# Allegro board Lay-45699_A.brd (continued)
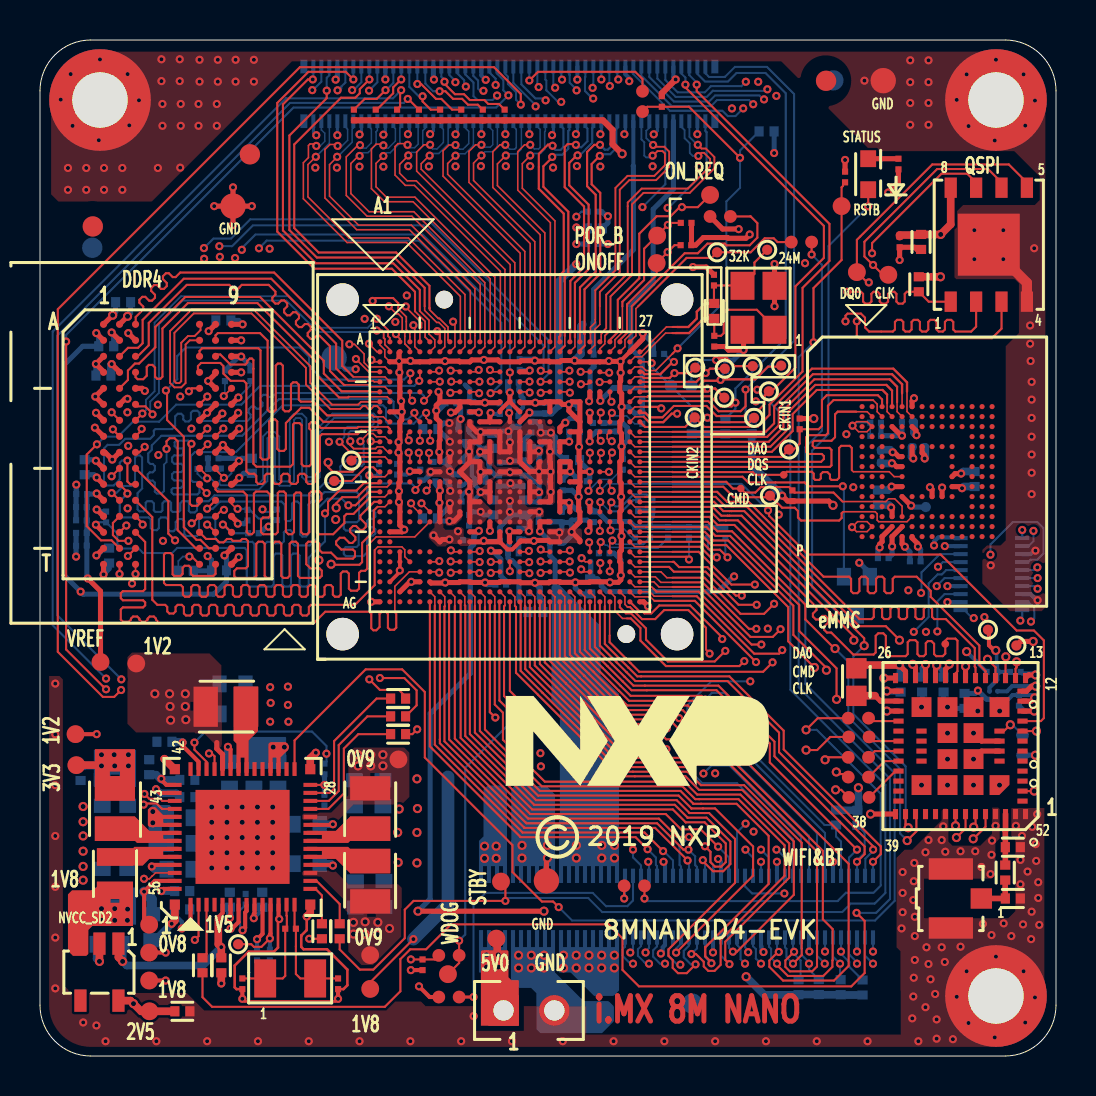
[diagram p0: board, top side]
## Routing (per net, layer and track width the routed paths; a pad name or vN(x,y) marks a point on that pad's centre or on a via; arc(x,y) is an arc through that point) (continued)
SD3_DATA2: length 16.8
  TOP w0.076: U1.K26 29.75,30.96 31.63,30.96 ; 43.1,33.14 U4.A5
  TOP w0.104: 42.6,34.09 38.64,34.09 36.94,32.38 36.94,31.54 36.36,30.96 31.63,30.96
  TOP w0.114: 42.6,34.09 43.1,33.59 43.1,33.14
SD3_DATA3: length 16.6
  TOP w0.076: 31.63,29.46 29.75,29.46 U1.N26 ; U4.B2 41.36,32.22 40.8,32.22
  TOP w0.104: 31.63,29.46 39.5,29.46 39.57,29.53 39.57,30.3 39.47,30.41 38.74,30.41 38.63,30.51 38.63,30.68 38.71,30.76 39.57,30.76 39.75,30.94 39.75,32.08 39.89,32.22
  TOP w0.114: 39.89,32.22 40.8,32.22
SD3_DATA4: length 17.1
  TOP w0.076: U4.B3 41.86,32.21 41.86,32.59 41.66,32.8 ; U1.N27 31.63,29.71
  TOP w0.104: 31.63,29.71 39.06,29.71 39.19,29.85 39.19,30 39.09,30.1 38.41,30.1 38.3,30.2 38.3,30.94 38.41,31.04 39.29,31.04 39.4,31.14 39.4,32.51 39.68,32.8 41.66,32.8
SD3_DATA5: length 15.4
  TOP w0.076: 42.36,32.65 42.36,32.22 U4.B4 ; U1.M27 31.63,30.21
  TOP w0.104: 42.36,33.07 42.36,32.65 ; 31.63,30.21 36.59,30.21 37.63,31.25 37.63,32.1 38.84,33.3 42.13,33.3
  TOP w0.114: 42.13,33.3 42.36,33.07
SD3_DATA6: length 16.4
  TOP w0.076: 42.86,32.69 42.86,32.22 U4.B5 ; U1.L27 31.63,30.71
  TOP w0.104: 31.63,30.71 36.44,30.71 37.17,31.44 37.17,32.29 38.72,33.83 42.48,33.83 ; 42.86,33.46 42.86,32.69
  TOP w0.114: 42.48,33.83 42.86,33.46
SD3_DATA7: length 17.3
  TOP w0.076: U1.K27 31.63,31.21 ; U4.B6 43.35,32.22 43.35,33.22
  TOP w0.104: 42.66,34.37 38.6,34.37 36.71,32.48 36.71,31.63 36.28,31.21 31.63,31.21
  TOP w0.114: 43.35,33.22 43.35,33.68 42.66,34.37
SD3_STROBE: length 17
  TOP w0.076: 40.59,29.29 40.67,29.21 42.46,29.21 42.71,28.97 U4.H5 ; 31.63,29.21 U1.P27
  TOP w0.104: 40.59,29.29 40.59,30.4 40.49,30.51 40.06,30.51 39.96,30.4 39.96,28.91 39.85,28.81 39.57,28.81 39.5,28.88 39.5,29.07 39.37,29.19 39.14,29.19 39.04,29.09 39.04,28.88 38.96,28.81 38.76,28.81 38.69,28.88 38.69,29.12 38.59,29.21 37.34,29.21 TP40.1 35.77,29.06 35.64,29.19 31.64,29.19 31.63,29.21
SPDIF_EXT_CLK: length 24.5
  TOP w0.076: U1.AF8 20.74,22.96 20.74,22.5
  TOP w0.104: v1(33.91,10.47) 33.9,10.47 33.03,11.34 32.05,11.34 31.29,12.1 24.51,12.1 20.74,15.87 20.74,22.5
  BOTTOM w0.104: J5.63 34.45,9.93 v1(33.91,10.47)
SPDIF_RX: length 26.7
  TOP w0.104: v1(33.25,10.49) 33.52,10.21 33.52,9.69 33.75,9.47 34.06,9.47 34.29,9.69 34.29,10.63 33.23,11.69 32.29,11.69 31.64,12.33 24.61,12.33 21.03,15.91 21.03,22.67 U1.AG9
  BOTTOM w0.104: J5.59 33.65,9.57 33.52,9.69 33.52,10.21 v1(33.25,10.49)
SPDIF_TX: length 26.5
  TOP w0.076: 21.24,22.54 21.24,22.96 U1.AF9
  TOP w0.104: v1(33.14,9.79) 33.14,9.75 33.65,9.24 34.16,9.24 34.52,9.6 34.52,10.72 33.33,11.92 32.38,11.92 32.38,11.92 31.74,12.56 24.7,12.56 21.26,16 21.26,22.51 21.24,22.54
  BOTTOM w0.104: J5.57 33.25,9.64 33.14,9.75 v1(33.14,9.79)
SR_VLX: length 2.2
  TOP w0.254: U6.28 42.02,17.75 41.75,18.02
  TOP w0.381: L2.2 40.83,18.02 41.75,18.02
SYS_NRST: length 15.2
  TOP w0.152: R127.1 v1(21.67,2.95)
  BOTTOM w0.104: J5.39 29.65,7.77 29.37,7.49 28.3,7.49 27.64,8.16 22.28,8.16 21.67,7.55 v1(21.67,2.95)
SYS_STATUS: length 15.5
  TOP w0.076: U1.P26 29.74,28.96 31.63,28.96
  TOP w0.104: 31.63,28.96 35.12,28.96 35.41,28.68 36.77,28.68 36.77,28.68 38.23,28.68 38.42,28.49 v1(40.14,28.49)
  BOTTOM w0.104: Q1.1 40.2,28.43 v1(40.14,28.49)
TEST_MODE: length 7.3
  TOP w0.104: v1(24.47,48.78) 24.9,49.21 29.76,49.21 30.13,48.85 R134.2
  BOTTOM w0.104: J4.56 v1(24.47,48.78)
TS_RES_EXT: length 2.2
  TOP w0.076: v1(28.59,32.16) 28.49,32.06 U1.J24
  BOTTOM w0.076: R103.1 29.73,31.61 29.34,32 28.75,32 v1(28.59,32.16)
TS_TEST_OUT: length 8.9
  TOP w0.076: v1(28.04,32.17) 27.99,32.13 U1.J23
  TOP w0.104: v1(33.36,31.91) 33.59,31.69 35.49,31.69 TP19.1
  L3_IN1 w0.081: v1(33.36,31.91) 33.34,31.91 32.75,31.33 30.7,31.33 30.22,31.81 28.4,31.81 v1(28.04,32.17)
UART1_CTS: length 124.4
  TOP w0.076: U1.E18 25.03,33.71 v1(25.03,33.71)
  TOP w0.104: U6.48 47.28,11.46 46.68,10.86 v2(46.66,10.86)
  L3_IN1 w0.081: v1(8.2,40.4) 8.04,40.56 5.6,40.56 1.88,36.84 1.88,35.38 1.18,34.68 1.18,20.18 1.76,19.6 1.76,4.21 4.22,1.74 19.95,1.74 21.72,3.52 41.67,3.52 42.44,4.29 42.44,5.61 41.54,6.51 41.54,7.8 40.44,8.9 40.44,10.43 42.59,12.58 46.5,12.58 47.02,12.07 47.02,11.86 47.08,11.8 47.08,11.28 v2(46.66,10.86)
  BOTTOM w0.104: v1(8.2,40.4) 8.68,40.87 9.55,40.87 10.52,41.84 19.38,41.84 25.43,35.79 25.43,34.11 v1(25.03,33.71)
UART1_RTS: length 121
  TOP w0.076: v1(25.04,34.26) 25.09,34.21 U1.D18
  TOP w0.104: U6.47 46.78,11.54 v2(46.68,11.44)
  L3_IN1 w0.081: v1(8.97,40.49) 8.69,40.77 5.52,40.77 1.67,36.92 1.67,35.43 0.97,34.73 0.97,20.09 1.55,19.51 1.55,4.12 4.14,1.54 20.15,1.54 21.16,2.54 21.9,2.54 22.66,3.31 41.75,3.31 42.65,4.2 42.65,5.7 41.75,6.6 41.75,7.88 41.27,8.37 41.27,10.86 42.78,12.38 45.97,12.38 46.53,11.81 46.53,11.56 46.65,11.44 v2(46.68,11.44)
  BOTTOM w0.104: v1(8.97,40.49) 9.6,40.49 10.64,41.53 19.18,41.53 25.18,35.53 25.18,34.41 v1(25.04,34.26)
UART1_RXD: length 120.9
  TOP w0.076: U1.E14 v1(23.49,34.18)
  TOP w0.104: v2(45.82,10.92) 46.28,11.38 U6.46
  L3_IN1 w0.081: v1(10.09,40.31) 9.43,40.97 5.43,40.97 1.71,37.25 0.76,36.31 0.76,20.01 1.34,19.43 1.34,4.04 4.05,1.33 26.7,1.33 28.4,3.02 41.76,3.02 42.85,4.12 42.85,5.79 42.06,6.58 42.06,11.33 42.9,12.17 45.68,12.17 46.17,11.68 46.17,11.27 v2(45.82,10.92)
  BOTTOM w0.104: v1(23.49,34.18) 23.49,36.71 19.13,41.07 10.77,41.07 10.09,40.39 v1(10.09,40.31)
UART1_TXD: length 120.1
  TOP w0.076: U1.F13 22.59,33.21 v1(22.53,33.14)
  TOP w0.104: U6.45 v2(45.78,11.51)
  L3_IN1 w0.081: v1(10.95,40.39) 10.67,40.39 9.87,41.18 5.34,41.18 1.91,37.75 0.55,36.4 0.55,20.09 0.55,20.09 0.55,19.92 1.13,19.34 1.13,3.95 3.96,1.12 26.79,1.12 28.48,2.82 41.85,2.82 43.06,4.03 43.06,5.87 42.27,6.66 42.27,11.24 42.99,11.96 45.33,11.96 v2(45.78,11.51)
  BOTTOM w0.104: v1(22.53,33.14) 22.58,33.14 23.06,33.63 23.06,36.66 18.96,40.77 11.33,40.77 v1(10.95,40.39)
UART2_RXD: length 18.5
  TOP w0.076: U1.F15 24.44,33.21 v1(24.48,33.17)
  L3_IN1 w0.081: v1(20.77,48.69) 20.77,48.47 21.33,47.91 21.33,43.7 23.87,41.16 23.87,33.78 v1(24.48,33.17)
  BOTTOM w0.104: v1(20.77,48.69) 20.7,48.76 20.7,48.82 20.47,49.05 J4.36
UART2_TXD: length 17.7
  TOP w0.076: v1(24.48,33.72) 24.46,33.71 U1.E15
  L3_IN1 w0.081: v1(21.29,48.47) 21.64,48.13 21.64,43.97 24.14,41.47 24.14,34.06 v1(24.48,33.72)
  BOTTOM w0.104: J4.38 20.87,49.13 21.21,48.79 21.21,48.6 21.29,48.51 v1(21.29,48.47)
UART3_CTS: length 18.5
  TOP w0.114: U1.A7 19.99,36.11 v1(19.86,36.24)
  L3_IN1 w0.081: v1(14.88,48.28) 13.19,46.59 13.19,44.18 15.88,41.48 17.58,41.48 19.33,39.73 19.33,37.36 19.86,36.83 v1(19.86,36.24)
  BOTTOM w0.104: v1(14.88,48.28) 14.96,48.28 15.06,48.39 15.06,48.47 15.27,48.67 J4.10
UART3_RTS: length 20.6
  TOP w0.076: 19.45,36.1 19.74,35.81 19.74,35.46 U1.B6
  TOP w0.084: 18.99,37.25 19.45,36.79 19.45,36.1
  TOP w0.104: v1(13.64,48.83) 13.39,48.83 12.15,47.58 12.15,41.28 13.79,39.64 17.66,39.64 18.99,38.31 18.99,37.25
  BOTTOM w0.104: v1(13.64,48.83) 13.67,48.86 J4.2
UART3_RXD: length 19.9
  TOP w0.076: v1(19.96,34.27) 19.9,34.21 U1.D6
  L3_IN1 w0.081: v1(19.96,34.27) 19.33,34.89 19.33,36.88 19.08,37.14 19.08,39.47 17.27,41.28 15.75,41.28 12.98,44.05 12.98,46.68 13.61,47.32 v1(13.61,48.29)
  BOTTOM w0.104: J4.4 14.07,48.72 13.65,48.29 v1(13.61,48.29)
UART3_TXD: length 20.7
  TOP w0.076: 19.23,37.49 19.23,37.28 19.84,36.68 19.94,36.68 20.24,36.38 20.24,35.46 U1.B7
  TOP w0.104: v1(14.34,48.27) 14.34,47.89 12.47,46.02 12.47,41.3 13.84,39.92 17.72,39.92 19.23,38.41 19.23,37.49
  BOTTOM w0.104: v1(14.34,48.27) 14.34,48.91 14.47,49.04 J4.6
UART4_RXD: length 19.9
  TOP w0.076: U1.F19 26.45,33.21 v1(26.49,33.17)
  L3_IN1 w0.081: v1(22.85,48.02) 22.85,47.92 24.06,46.72 24.06,42.8 25.59,41.27 25.59,34.07 v1(26.49,33.17)
  BOTTOM w0.104: J4.40 21.27,49.08 21.67,48.67 21.67,47.99 21.87,47.8 22.63,47.8 v1(22.85,48.02)
UART4_TXD: length 18.6
  TOP w0.076: v1(25.04,33.16) 25.09,33.21 U1.F18
  L3_IN1 w0.081: v1(25.04,33.16) 25.38,33.51 25.38,41.04 23.83,42.59 23.83,46.52 22.17,48.18 v1(22.17,48.26)
  BOTTOM w0.104: J4.42 21.67,49.01 21.91,48.77 21.91,48.36 22.01,48.26 v1(22.17,48.26)
USB1_DN: length 14.8
  TOP w0.076: U1.A22 27.52,35.74 27.52,36.44 27.76,36.68 27.76,36.81
  TOP w0.091: 27.76,36.81 27.76,38.28 28.77,39.29 28.77,43.4 29.38,44.01 30.72,44.01 31.24,44.54 31.24,45.13 31.13,45.24 30.87,45.24 30.65,45.02 v1(30.63,45.02)
  BOTTOM w0.091: v1(30.63,45.02) 30.55,44.93 30.3,44.93 30.21,45.02 30.21,45.69 30.07,45.83 J4.83
USB1_DP: length 14.8
  TOP w0.076: U1.B22 27.49,35.29 27.74,35.54 27.74,36.33 27.99,36.58 27.99,37.49
  TOP w0.091: 27.99,37.49 27.99,38.2 28.99,39.2 28.99,43.31 29.46,43.79 30.81,43.79 31.46,44.45 31.46,45.22 31.22,45.46 30.75,45.46 v1(30.66,45.55)
  BOTTOM w0.091: v1(30.66,45.55) 30.31,45.89 30.31,46.26 30.47,46.42 J4.85
USB1_ID: length 16.5
  TOP w0.076: v1(27.03,34.21) U1.D22
  L3_IN1 w0.076: 26.44,37.49 26.44,36.63 27.07,36 27.07,34.25 v1(27.03,34.21)
  L3_IN1 w0.081: 26.44,37.49 26.44,40.82 26.62,40.99 28.67,40.99 v1(30.12,42.45)
  BOTTOM w0.104: 30.19,42.51 31.27,43.59 J4.89
  BOTTOM w0.114: 30.19,42.51 v1(30.12,42.45)
USB1_VBUS: length 12.5
  BOTTOM w0.203: J4.81 29.67,44.5
  BOTTOM w0.254: 29.67,44.5 29.67,44.5 29.67,40.31 27.68,38.33 27.68,36.59 C393.1 27.68,36.57 R108.2
USB2_DN: length 15.8
  TOP w0.076: 28.09,36.17 28.09,36.13 28.06,36.1 28.06,35.94 28.06,35.78 U1.A23
  TOP w0.091: v1(32.92,45) 33.07,45.16 33.2,45.16 33.5,44.86 33.5,44.48 32.4,43.37 30.09,43.37 29.39,42.67 29.39,42.49 29.39,42.49 29.39,39.14 28.31,38.06 28.31,36.39 28.09,36.17
  BOTTOM w0.091: J4.93 32.07,46.45 32.23,46.29 32.23,45.89 32.49,45.63 32.49,45.15 32.64,45 v1(32.92,45)
USB2_DP: length 15.9
  TOP w0.076: U1.B23 27.99,35.36 28.24,35.61 28.24,35.73 28.25,35.74 28.25,36.02
  TOP w0.091: v1(32.89,45.56) 33.08,45.37 33.29,45.37 33.72,44.95 33.72,44.39 32.49,43.16 30.18,43.16 29.6,42.58 29.6,39.05 28.53,37.97 28.53,36.3 28.25,36.02
  BOTTOM w0.091: J4.95 32.47,45.96 32.87,45.56 v1(32.89,45.56)
USB2_ID: length 15.5
  TOP w0.076: U1.D23 28.04,34.17 v1(28.46,34.17)
  L3_IN1 w0.081: v1(31.38,42.4) 28.1,39.12 28.1,34.42 28.31,34.21 28.37,34.21 28.42,34.17 v1(28.46,34.17)
  BOTTOM w0.104: 33.33,46.2 33.33,44.31 31.42,42.4 v1(31.38,42.4) ; 33.27,46.26 J4.99
  BOTTOM w0.114: 33.33,46.2 33.27,46.26
USB2_VBUS: length 15.3
  BOTTOM w0.254: R109.2 30.11,33.4 C394.1 30.11,34.81 29.54,35.38 29.54,37.52 30.66,38.64 30.66,42.33 31.67,43.35 31.67,46.73 J4.91
VPP_2V5: length 50.3
  TOP w0.254: U2.B1 v1(2.81,36.15) ; U2.R9 v1(9.22,25.03)
  TOP w0.381: U9.5 4.52,2.77 v2(4.67,2.62) 5.06,2.24 TP105.1 C423.1
  L3_IN1 w0.254: v2(4.67,2.62) 3.84,2.62 2.31,4.14 2.31,7.77 3.02,8.49 3.02,12.5 2.13,13.39 2.13,23.12 v1(2.03,23.22)
  BOTTOM w0.254: v1(2.81,36.15) 2.93,36.03 C112.1 2.14,35.49 1.22,34.57 1.22,24.03 v1(2.03,23.22) 2.16,23.09 8.69,23.09 9.33,23.73 C111.1 9.33,24.92 v1(9.22,25.03)
VSYS_5V: length 22.1
  TOP w0.203: U8.23 14.58,11.55 14.62,11.59 v1(14.64,11.59) ; U8.5 9.13,7.15 8.92,6.94 8.92,6.83 ; U8.9 10.73,7.14 10.69,7.1 v1(10.69,6.89) ; U8.41 7.93,14.71 7.13,15.51 v1(7.13,15.67) ; v1(14.64,9.52) 14.63,9.52 14.6,9.55 U8.18 ; U8.53 5.67,9.55 v1(5.59,9.47) ; v1(9.4,15.46) 9.53,15.33 U8.37
  TOP w0.381: TP51.1 22.86,5.83 22.86,5.16 22.89,5.13 22.86,5.11 v2(22.91,5.06) ; C11.1 v1(9.06,5.44) 8.92,5.59 8.92,6.83 ; U9.1 3.92,4.94 v2(4.13,4.73)
  BOTTOM w0.203: v1(10.69,6.89) 11.11,7.31 C12.1
  BOTTOM w0.381: C281.2 v1(14.64,11.59) ; C323.2 9.4,14.79 v1(9.4,15.46) ; C424.2 v2(4.13,4.73) 4.34,4.52 8.14,4.52 v1(9.06,5.44) ; v1(14.64,9.52) 14.55,9.62 C295.2 ; v1(7.13,15.67) 7.09,15.71 C10.1 ; C316.2 5.73,9.34 v1(5.59,9.47)
  vias: v2(5.64,12.22) v2(5.64,11.66) v2(11.66,15.44) v2(12.22,15.44) v2(22.23,10.49) v2(22.23,9.88) v2(22.33,5.06) v2(22.33,4.45) v2(22.81,10.49) v2(22.81,9.88) v2(22.91,4.45)
WDOG_B: length 20.2
  TOP w0.104: v1(23.53,16.68) 23.53,17.22 22.97,17.77 22.97,22.69 U1.AG13 ; TP53.1 20.96,4.65 R55.1 20.96,5.18 v1(20.96,5.77)
  BOTTOM w0.104: v1(20.96,5.77) 21.26,6.07 21.26,14.41 v1(23.53,16.68)
WIFI_1V8: length 6.9
  TOP w0.254: v2(49.66,20.73) 49.02,20.73 TP13.1 ; v2(49.73,17.91) 49.57,17.75 U6.11
  L3_IN1 w0.254: v2(49.66,20.73) 49.81,20.57 49.81,19.76 49.3,19.25 49.3,18.24 49.63,17.91 v2(49.73,17.91)
  BOTTOM w0.203: U7.A2 48.42,17.84 48.63,18.05 C140.1 49.59,18.05 v2(49.73,17.91)
WL_REG_ON: length 31.2
  TOP w0.076: U1.R23 v1(27.99,28.26)
  TOP w0.104: v1(36.4,27.28) 36.45,27.23 36.45,27.02 38.4,25.07 45.04,25.07 48.83,21.27 49.7,21.27 50.19,20.78 50.19,16.89 50.04,16.75 U6.9
  BOTTOM w0.076: v1(27.99,28.26) 28.34,28.6 31.63,28.6
  BOTTOM w0.104: 31.63,28.6 35.08,28.6 v1(36.4,27.28)
WL_WAKE_HOST: length 28
  TOP w0.076: 30.33,26.46 29.75,26.46 U1.W26
  TOP w0.104: 30.33,26.46 33.32,26.46 33.77,26.01 34.5,26.01 37.96,22.55 37.96,21.25 39.83,19.38 v2(39.83,17.83) ; U6.2 v2(49.71,13.25)
  L3_IN1 w0.081: v2(39.83,17.83) 43.46,14.2 48.76,14.2 v2(49.71,13.25)
XIN_32K: length 5.7
  TOP w0.104: C298.1 QZ2.2 13.02,3.88 12.79,4.1 12.79,5.48 R57.1 12.73,6.43 U8.14
XOUT_32K: length 5.8
  TOP w0.104: C299.1 QZ2.1 12.13,3.88 12.26,4.01 R57.2 12.34,6.45 12.34,7.01 12.33,7.02 U8.13
XTALI_24M: length 9.6
  TOP w0.076: 31.63,36.45 31.32,36.45 30.08,35.21 U1.B27
  TOP w0.104: 31.86,36.45 31.63,36.45 ; TP38.1 35.72,39.67 35.72,39.11 Y1.3 35.11,38.53 C123.1 33.7,37.64 R26.1
  TOP w0.114: R26.1 33.25,37.63 32.84,37.22 32.84,36.87 32.42,36.45 31.86,36.45
XTALI_32K: length 11.1
  TOP w0.076: U1.A26 29.79,36.01 29.79,37.37 29.91,37.49
  TOP w0.104: 29.91,37.49 32.33,39.91 33.57,39.91 TP39.1 35.53,40.18 36.23,40.88 36.69,40.88 36.88,40.7 R100.2
XTALO_24M: length 10.6
  TOP w0.076: 31.63,36.15 31.28,36.15 30.09,34.96 29.74,34.96 U1.C26
  TOP w0.104: Y1.1 36.73,36.43 35.84,37.31 34.34,37.31 34.19,37.16 34.19,36.14 34.05,36.01 C124.1 33.71,36.01 R26.2 ; 31.63,36.15 31.79,36.15
  TOP w0.114: R26.2 33.18,36.88 32.45,36.15 31.79,36.15
XTALO_32K: length 12.5
  TOP w0.076: 29.58,37.49 29.58,36.15 29.25,35.81 29.25,35.46 U1.B25
  TOP w0.104: R113.2 35.52,41.98 35.53,41.98 35.87,41.64 35.87,40.92 35.49,40.54 34.33,40.54 34.25,40.62 33.37,40.62 32.89,40.14 32.23,40.14 29.58,37.49
N102271152: length 1.7
  TOP w0.076: 16.84,28.96 17.25,28.96 U1.P2
  TOP w0.104: v1(16.46,29.03) 16.51,28.98 16.54,28.98 16.56,28.96 16.84,28.96
  BOTTOM w0.104: v1(16.46,29.03) 16.51,29.03 16.53,29.06 R7.2
N106370682: length 2.4
  TOP w0.254: U1.F22 27.49,32.78 v1(27.46,32.74)
  BOTTOM w0.254: R108.1 27.68,34.45 27.51,34.28 27.51,32.79 v1(27.46,32.74)
N106370752: length 10.1
  TOP w0.076: v1(26.48,33.72) 26.47,33.71 U1.E19
  L3_IN1 w0.081: v1(26.82,41.96) 25.86,41 25.86,34.33 26.47,33.72 v1(26.48,33.72)
  BOTTOM w0.104: R29.1 27.07,42.22 v1(26.82,41.96)
N106740715: length 6.9
  TOP w0.104: U8.25 14.42,12.36 15.19,13.13 15.19,15.37 15.91,16.09 R114.1
N106742973: length 7.4
  TOP w0.104: U8.27 14.49,13.15 14.71,13.37 14.71,15.75 16.83,17.87 R54.2
N106742988: length 7.1
  TOP w0.104: U8.26 14.44,12.76 14.94,13.25 14.94,15.55 16.37,16.98 R48.2
N106743010: length 15
  TOP w0.104: R55.2 19.74,4.83 R106.2 v1(18.54,4.83) ; U8.2 7.93,5.99 v1(7.74,5.8)
  L3_IN1 w0.081: v1(7.74,5.8) 7.74,5.37 8.55,4.56 18.27,4.56 v1(18.54,4.83)
N106743238: length 2.1
  TOP w0.104: U8.15 13.77,8.36 14.1,8.03 R51.2
N106743319: length 2.9
  TOP w0.104: U8.16 13.83,8.76 14.98,7.6 R52.2
N106743947: length 2.7
  TOP w0.104: U8.3 8.33,5.11 R111.1
N106795449: length 24.5
  TOP w0.104: v1(7.72,15.67) 7.72,15.31 8.33,14.71 U8.40
  TOP w0.203: v1(18.95,3.48) 19.48,2.95 R127.2
  L3_IN1 w0.081: v1(18.95,3.48) 19.1,3.63 19.1,6.25 15.34,10.01 15.34,14.09 v1(14.32,15.11)
  BOTTOM w0.104: R61.2 14.32,14.72 v1(14.32,15.11) 14.32,15.5 13.6,16.22 8.27,16.22 v1(7.72,15.67)
N107005929: length 2.1
  TOP w0.076: U1.N2 17.25,29.96 16.31,29.96
  TOP w0.104: TP15.1 15.76,29.96 16.31,29.96
N107176498: length 2.6
  TOP w0.076: U1.R22 27.49,28.32 v1(27.42,28.26)
  BOTTOM w0.076: v1(27.42,28.26) 28,28.83 28.59,28.83 29.07,29.31 C245.1
N107222690: length 1.4
  TOP w0.254: U4.K5 v1(43.55,27.52)
  BOTTOM w0.254: TP18.1 43.62,27.45 v1(43.55,27.52)
N108072637: length 23.9
  TOP w0.104: D1.C v1(41.41,42.48)
  BOTTOM w0.104: Q1.3 39.97,22.06 38.61,23.42 38.61,30.27 39.43,31.09 39.43,40.5 v1(41.41,42.48)
N108250870: length 1
  TOP w0.254: U1.D15 24.42,34.21 v1(24.49,34.27)
  BOTTOM w0.254: v1(24.49,34.27) 24.02,34.27 C268.1
N108844762: length 4.1
  TOP w0.203: v2(47.79,20.28) 47.74,20.33 47.65,20.33 47.45,20.54 47.45,21.26 TP12.1
  BOTTOM w0.178: v2(47.79,20.28) 47.83,20.24 47.83,19.64 47.87,19.6 R153.2
  BOTTOM w0.203: C148.1 R153.2 47.87,18.81 47.48,18.42 U7.B1
N108904078: length 1.5
  TOP w0.254: U1.F23 27.99,32.78 v1(28.01,32.76)
  BOTTOM w0.254: v1(28.01,32.76) 28.01,32.77 28.65,33.4 R109.1
N108904133: length 8.4
  TOP w0.076: U1.E22 27.37,33.59 v1(27.05,33.59)
  L3_IN1 w0.076: 27.38,37.49 27.38,36.22
  L3_IN1 w0.081: v1(26.82,40.6) 27.38,40.04 27.38,37.49 ; v1(27.05,33.59) 27.13,33.67 27.15,33.67 27.38,33.9 27.38,36.22
  BOTTOM w0.254: v1(26.82,40.6) R30.1
N108904284: length 8.8
  TOP w0.076: U1.D19 26.4,34.21 26.46,34.27 v1(26.47,34.27)
  L3_IN1 w0.081: v1(26.47,34.27) 26.07,34.67 26.07,40.88 26.62,41.43 v1(26.82,41.43)
  BOTTOM w0.104: v1(26.82,41.43) 26.87,41.38 R28.1
N109051684: length 1.2
  BOTTOM w0.254: R9.2 9.02,29.35 R8.2 8.41,29.87 C422.1
N109059386: length 1.6
  TOP w0.254: U2.F9 v1(9.92,32.92)
  BOTTOM w0.104: v1(9.92,32.92) 10.52,33.52 R5.2
N109250473: length 2.8
  TOP w0.084: U2.M9 9.58,27.61 9.83,27.36 v1(9.88,27.36)
  BOTTOM w0.104: v1(9.88,27.36) 10.33,27.36 R156.2 10.49,27.31 10.92,26.87 11.77,26.87 R158.2
N109250537: length 1.3
  TOP w0.084: U2.E9 v1(9.19,33)
  BOTTOM w0.084: R159.2 9.25,33.05 v1(9.19,33)
N109251723: length 1.8
  TOP w0.104: v1(7.47,24.97) 7.59,24.97 U2.T7
  BOTTOM w0.084: v1(7.47,24.97) 7.14,24.97 6.92,24.75 R160.1
N1080031270: length 1.5
  TOP w0.254: R125.2 41.41,44.87 D1.A

## Copper pours and planes (outline as drawn; the poured copper is in the pictures)
GND on BOTTOM (solid shape): 25.75,13.08 25.75,8.65 25.55,8.65 25.55,9.49 25.35,9.49 25.35,8.65 25.15,8.65 25.15,9.49 24.95,9.49 24.95,8.65 24.75,8.65 24.75,9.49 24.55,9.49 24.55,8.65 24.35,8.65 24.35,9.49 24.15,9.49 24.15,8.65 23.95,8.65 23.95,9.49 23.75,9.49 23.75,8.65 23.55,8.65 23.55,10.76 23.56,10.76 23.56,13.34 23.72,13.5 25.33,13.5
GND on BOTTOM (solid shape): 23.75,5.44 23.95,5.44 23.95,6.28 24.15,6.28 24.15,5.44 24.35,5.44 24.35,6.28 24.55,6.28 24.55,5.44 24.75,5.44 24.75,6.28 24.95,6.28 24.95,5.44 25.15,5.44 25.15,6.28 25.35,6.28 25.35,5.44 25.55,5.44 25.55,6.28 25.75,6.28 25.75,4.17 27.18,2.74 28.42,2.74 28.69,2.48 28.69,1.74 28.1,1.14 25.02,1.14 24.82,1.35 24.82,3.14 24.55,3.41 23.83,3.41 23.55,3.69 23.55,6.28 23.75,6.28
GND on TOP: 25.34,25.64 25.34,26.38 27.1,26.38 27.1,25.64
GND on TOP: 2.19,50.22 48.54,50.22 50.27,48.49 50.27,22.43 50.08,22.24 48.5,22.24 47.12,23.62 47.12,25.3 47.35,25.53 48.03,25.53 48.29,25.78 48.29,35.49 48.95,36.15 48.95,38.64 48.74,38.84 45.82,38.84 45.72,38.94 45.72,42.11 46.15,42.55 49.73,42.55 49.99,42.8 49.99,43.97 48.72,45.24 41.56,45.24 37.06,49.73 12.6,49.73 5.59,42.72 0.92,42.72 0.56,43.08 0.56,48.59
GND on TOP: 0.46,19 0.97,19 1.14,18.82 1.14,3.58 1.42,3.3 1.42,3.15 7.33,3.15 8.21,2.28 16,2.28 16.44,2.72 19.05,2.72 19.28,2.49 43.02,2.49 43.02,5.24 42.83,5.44 42.83,9.91 43.23,10.31 43.61,10.31 45.09,11.79 45.09,12.27 45.19,12.37 45.34,12.37 45.42,12.3 45.42,10.72 45.62,10.52 47.02,10.52 47.6,11.1 47.6,12.4 47.63,12.42 47.91,12.42 47.98,12.35 47.98,10.87 47.77,10.66 47.77,9.06 47.58,8.87 44.2,8.87 44.2,6.91 44.22,6.89 48.41,6.89 48.77,7.24 48.77,10.8 48.57,11 48.57,12.37 48.59,12.4 50.22,12.4 50.22,2.16 48.81,0.75 48.5,0.75 48.26,0.51 48.16,0.51 48.16,0.46 2.54,0.46 1.3,0.87 0.55,1.93 0.48,2.23 0.46,2.54
GND on TOP: 19.72,26.63 19.84,26.75 20.04,26.75 20.17,26.62 20.27,26.31 20.65,26.31 20.78,26.44 21.08,26.44 21.18,26.34 21.18,26.01 21.28,25.91 21.49,25.91 21.56,25.83 21.56,25.58 21.49,25.5 21.03,25.5 20.93,25.6 20.55,25.6 20.42,25.48 19.87,25.48 19.43,25.91 19.43,26.14 19.72,26.43
GND on TOP: 24.33,30.89 24.51,30.89 24.92,30.48 25.04,30.48 25.17,30.35 25.17,30.1 25.07,30 24.94,30 24.53,29.59 24.41,29.59 24.28,29.72 24.28,30.83
GND on TOP: 22.32,30.86 22.55,30.86 22.73,30.68 22.73,29.64 22.91,29.46 23.95,29.46 24.99,28.42 25.04,28.42 25.17,28.29 25.17,28.07 25.07,27.96 24.86,27.96 24.61,27.71 24.61,27.63 24.59,27.61 24.43,27.61 24.36,27.69 24.36,28.73 24.13,28.96 22.88,28.96 22.66,28.73 22.66,27.63 22.63,27.61 22.43,27.61 22.1,27.94 21.94,27.94 21.79,28.09 21.79,28.35 21.89,28.45 22.15,28.45 22.27,28.57 22.27,28.75 22.38,28.85 22.5,28.85 22.73,29.08 22.73,29.34 22.55,29.51 22.48,29.51 22.3,29.69 22.3,29.77 22.15,29.92 21.94,29.92 21.77,30.1 21.77,30.35 21.84,30.43 22.17,30.43 22.3,30.56 22.3,30.83
GND on BOTTOM: 47.96,27.33 47.75,27.54 47.75,28.98 47.04,29.69 46.18,29.69 43.71,32.16 41.5,32.16 39.78,33.89 39.78,46.51 36.35,49.94 36.35,49.99 36.27,50.07 12.42,50.07 11.56,49.2 11.56,47.22 4.78,40.44 4.32,40.44 3.3,39.42 1.07,39.42 0.53,39.96 0.53,48.29 2.46,50.22 48.52,50.22 50.27,48.46 50.27,27.97 49.63,27.33
GND on BOTTOM: 17.52,23.72 17.52,28.42 17.63,28.52 19.56,28.52 19.58,28.55 19.58,28.88 19.61,28.9 19.94,28.9 19.96,28.88 19.96,28.57 20.17,28.37 20.17,27.48 19.99,27.3 19.63,27.3 19.51,27.18 19.52,27.16 19.4,27.05 19.4,26.64 19.78,26.26 20.6,26.26 20.78,26.44 21.16,26.44 21.28,26.57 21.28,26.67 21.33,26.72 21.59,26.72 21.64,26.67 21.64,26.39 21.28,26.03 21.28,25.53 21.57,25.25 21.57,22.99 21.16,22.58 18.66,22.58
GND on BOTTOM: 20.15,30.64 20.19,30.61 20.19,30.35 20.14,30.3 20.14,30.15 19.84,29.84 19.84,29.51 19.81,29.49 19.68,29.49 19.63,29.54 19.38,29.54 19.18,29.34 19.18,29.21 19.15,29.18 18.85,29.18 18.77,29.26 18.77,29.41 18.65,29.53 18.25,29.53 18.18,29.46 16.84,29.46 16.81,29.49 16.81,29.79 17.04,30.02 17.19,30.02 17.45,30.28 17.45,32.03 17.14,32.33 17.14,35.66 17.52,36.04 22.05,36.04 22.86,35.23 22.86,34.16 22.05,33.35 20.85,33.35 20.5,32.99 20.5,32.49 20.57,32.41 20.62,32.41 20.75,32.28 20.75,32.05 20.62,31.93 19.91,31.93 19.73,31.75 19.66,31.75 19.53,31.62 19.53,31.14 19.71,30.96 19.99,30.96 20.15,30.8
GND on BOTTOM: 41.68,19.2 42.32,19.2 42.44,19.08 42.44,18.54 42.57,18.42 45.39,18.42 45.52,18.29 45.52,17.93 45.77,17.68 46.58,17.68 46.74,17.53 48.16,17.53 48.26,17.43 48.26,16.21 48.85,15.62 49.84,15.62 50.27,15.19 50.27,2.49 48.29,0.51 20.83,0.51 20.78,0.46 2.54,0.46 1.07,1.07 0.46,2.54 0.46,18.98 1.22,18.98 2.31,17.88 4.93,17.88 6.05,16.77 6.05,15.37 6.4,15.01 6.4,14.61 6.22,14.43 5.26,14.43 5.13,14.56 5.13,15.34 5,15.47 2.06,15.47 1.6,15.01 1.6,14.28 1.83,14.05 2.26,14.05 2.44,13.87 2.44,13.11 2.57,12.98 4.67,12.98 4.8,12.85 4.8,9.02 4.62,8.84 2.72,8.84 2.24,8.36 2.24,6.38 2.54,6.07 3.23,6.07 3.3,6 3.3,4.83 3.79,4.35 8.84,4.35 11.56,7.06 11.56,7.85 11.53,7.85 11.48,7.9 8.94,7.9 8.81,7.77 8.81,7.22 8.48,6.89 7.32,6.89 7.21,6.99 7.21,9.76 6.96,10.01 6.96,12.45 7.11,12.6 7.37,12.6 7.42,12.65 7.42,14.05 7.52,14.15 13.29,14.15 13.62,13.82 13.62,13.06 13.89,12.78 14.35,12.78 14.43,12.7 14.43,12.68 14.48,12.68 14.85,13.04 17.87,13.04 17.96,13.13 17.96,15.62 17.15,16.44 10.14,16.44 9.88,16.69 9.88,19.05 9.98,19.15 18.19,19.15 19.1,18.24 19.1,8.94 18.49,8.33 15.16,8.33 14.96,8.13 14.96,5.92 15.8,5.08 18.26,5.08 19.53,3.81 20.65,3.81 21.03,3.43 21.03,2.72 21.95,2.72 22.1,2.57 22.1,1.42 22.25,1.27 26.65,1.27 26.93,1.55 26.93,2.49 27.15,2.72 35.92,2.72 36.22,2.41 41.63,2.41 42.53,3.32 42.53,4.74 42.85,5.06 42.85,11.15 43.13,11.43 43.54,11.43 43.54,14.89 41.33,17.1 41.33,18.85 ; 10 cut-outs
GND on L2_GND: 2.54,0.51 1.1,1.1 0.51,2.54 0.51,48.26 1.1,49.7 2.54,50.29 48.26,50.29 49.7,49.7 50.29,48.26 50.29,2.54 49.7,1.1 48.26,0.51
GND on L3_IN1: 2.49,50.27 48.21,50.27 50.27,48.21 50.27,27.64 49.45,26.82 43.23,26.82 42.32,27.74 42.32,29.95 42.88,30.51 42.88,32.39 46.48,35.99 46.48,43.16 40.08,49.56 12.96,49.56 11.1,47.7 11.1,42.06 10.39,41.35 0.92,41.35 0.53,41.73 0.53,48.31
GND on L3_IN1: 28.38,0.51 28.23,0.66 28.23,1.63 29.11,2.51 41.99,2.51 43.24,3.77 43.24,5.91 42.6,6.55 42.6,9.91 43.16,10.47 46.84,10.47 47.3,10.92 47.3,11.53 48.18,12.42 49.61,12.42 49.63,12.45 50.06,12.45 50.21,12.3 50.21,2.18 48.56,0.53 48.46,0.52 48.36,0.51
GND on L5_PWR_2: 0.46,48.26 1.07,49.73 2.54,50.34 48.26,50.34 49.73,49.73 50.34,48.26 50.34,18.87 50.57,18.64 50.57,10.44 50.34,10.21 50.34,2.54 49.73,1.07 48.26,0.46 39.73,0.46 39.73,1.65 43.26,5.18 43.26,10.42 43.64,10.8 43.64,14.15 43.28,14.51 43.28,17.07 43.97,17.76 43.97,17.81 46.36,17.81 46.97,18.42 46.97,21.57 46.61,21.92 46.61,39.85 42.42,44.05 21.95,44.05 21.18,43.28 21.18,36.55 20.88,36.25 20.88,32.67 21.74,31.8 25.35,31.8 26.34,30.81 29.31,30.81 30.2,29.92 30.2,27.87 29.39,27.05 29.39,24.06 27.33,22 27.33,17.98 23.27,13.92 15.83,13.92 13.46,16.28 2.21,16.28 0.97,15.04 0.97,2.67 0.84,2.54 0.46,2.54
VDD_ARM_0V9 on TOP: 22.9,28.85 24.06,28.85 24.25,28.66 24.25,27.58 24.39,27.43 25.09,27.43 25.19,27.33 25.19,26.98 25.13,26.93 24.75,26.93 24.68,26.85 24.68,26.47 24.68,26.46 24.68,26.15 24.55,26.02 24.34,26.02 24.21,26.15 24.21,26.38 24.01,26.58 22.92,26.58 22.75,26.75 22.75,28.7
VDD_ARM_0V9 on TOP: 15.7,12.57 14.91,11.79 13.18,11.79 13.11,11.86 13.11,12.04 13.23,12.17 14.56,12.17 15.42,13.03 15.42,15.14 15.7,15.42 18.21,15.42 18.47,15.17 18.47,12.96 18.09,12.57 ; 1 cut-out
VDD_ARM_0V9 on BOTTOM: 14.83,15.7 17.2,15.7 17.65,15.24 17.65,13.54 17.5,13.39 15.09,13.39 14.66,13.82 14.66,15.52 ; 1 cut-out
VDD_ARM_0V9 on L4_PWR_1: 12.56,15.31 15.68,18.67 17.2,18.67 22.14,23.65 22.14,25.83 22.68,26.38 22.68,28.8 22.89,29 24.17,29 24.4,28.77 24.4,28.51 25.17,27.74 28.4,27.74 28.4,22.99 18.85,13.44 14.81,13.44 13.72,14.53 12.8,14.53 12.56,14.78
VDD_SOC&DRAM&PU_0V9 on TOP: 13.21,9.27 14.73,9.27 15.42,8.59 17.91,8.59 18.09,8.41 18.09,7.37 18.06,7.34 18.06,5.95 16.66,4.55 16.08,4.55 15.42,5.21 15.42,7.14 15.27,7.29 15.27,7.75 14.05,8.97 13.21,8.97 13.11,9.07 13.11,9.17 ; 1 cut-out
VDD_SOC&DRAM&PU_0V9 on TOP: 23.42,31.88 23.54,31.88 23.72,31.7 23.72,31.6 23.82,31.5 24.05,31.5 24.41,31.85 25.53,31.85 25.68,31.7 25.68,31.5 25.75,31.42 25.75,27.69 25.63,27.56 24.89,27.56 24.81,27.63 24.81,27.74 24.94,27.86 25.14,27.86 25.3,28.02 25.3,28.47 25.2,28.57 24.94,28.57 23.95,29.56 22.9,29.56 22.83,29.63 22.83,29.81 22.84,30.15 22.83,30.15 22.83,30.89 22.71,31.01 22.27,31.01 22.22,30.96 22.22,30.68 22.12,30.58 21.82,30.58 21.72,30.48 21.72,29.95 21.84,29.82 22.07,29.82 22.22,29.67 22.22,29.49 22.35,29.36 22.55,29.36 22.63,29.29 22.63,29.11 22.55,29.03 22.32,29.03 22.12,28.83 22.12,28.63 22.05,28.55 21.84,28.55 21.69,28.4 21.69,27.99 21.82,27.86 22.02,27.86 22.63,27.25 22.63,27.13 22.07,26.57 21.46,26.57 21.33,26.69 21.33,28.02 21.23,28.12 21.23,28.35 21.36,28.47 21.36,28.9 21.21,29.06 20.98,29.06 20.88,29.16 20.88,29.34 20.98,29.44 21.13,29.44 21.23,29.54 21.23,31.8 21.28,31.85 21.59,31.85 21.69,31.75 21.69,31.57 21.79,31.47 23.09,31.47 23.34,31.72 23.34,31.8 ; 1 cut-out
VDD_SOC&DRAM&PU_0V9 on BOTTOM: 15.32,7.9 17.7,7.9 17.98,7.62 17.98,5.87 17.58,5.46 15.75,5.46 15.19,6.02 15.19,7.77 ; 1 cut-out
VDD_SOC&DRAM&PU_0V9 on L4_PWR_1: 28.58,27.99 25.27,27.99 24.65,28.61 24.65,28.88 24.27,29.25 22.94,29.25 22.56,28.88 22.56,27.08 22.43,26.95 21.92,26.95 21.26,27.61 21.26,31.04 21.95,31.73 22.04,31.73 22.15,31.61 23.04,31.61 23.25,31.82 23.25,32.41 23.66,32.82 23.66,35.07 24.51,35.92 24.51,37.16 25.99,38.64 30.23,38.64 31.04,39.45 36.02,39.45 38.18,37.29 38.18,31.37 39.17,30.38 39.17,27.08 41.33,24.92 41.33,19.15 39.93,17.76 39.93,13.21 38.86,12.14 38.86,8.61 36.25,6 20.37,6 19.31,4.93 14,4.93 12.93,6 12.93,12.45 12.96,12.47 12.96,13.08 13.21,13.34 19.17,13.34 28.77,22.94 28.77,27.8
VDDA_1V8 on BOTTOM: 23.85,20.73 23.85,23.21 23.94,23.3 24.62,23.3 24.62,21.92 25.2,21.33 25.2,19.66 20.96,15.42 20.96,14.38 20.73,14.15 20.73,13.62 20.6,13.49 20.09,13.49 19.86,13.72 19.86,16.74
VDDA_1V8 on L3_IN1: 26.74,29.67 26.74,29.06 26.1,28.41 26.1,27.85 25.61,27.37 25.06,27.37 24.76,27.08 24.38,27.08 23.72,26.42 23.72,26.14 23.57,25.98 23.11,25.98 22.43,26.67 22.43,31.72 22.77,32.07 22.77,32.9 23.24,33.37 23.82,33.37 24.41,32.79 24.41,32.26 25.2,31.47 25.96,31.47 26.11,31.32 26.11,30.3
NVCC_1V8 on TOP (solid shape): 4.65,6.5 2.61,6.5 2.42,6.3 2.42,6.04 2.41,6.04 2.41,5.11 2.31,5.01 1.65,5.01 1.4,5.26 1.4,7.66 3.97,7.66 3.97,7.85 3.53,7.85 3.53,7.66 1.4,7.66 1.4,8.08 1.6,8.28 2.67,8.28 2.85,8.46 2.85,8.71 4.65,8.71
NVCC_1V8 on BOTTOM (solid shape): 4.8,6.56 2.69,6.56 2.69,7.84 4.06,7.84 4.06,8.22 3.43,8.22 3.43,7.84 2.69,7.84 2.69,8.41 4.8,8.41
NVCC_1V8 on BOTTOM (solid shape): 26.15,5.44 26.35,5.44 26.35,6.28 26.55,6.28 26.55,5.44 26.75,5.44 26.75,6.28 26.95,6.28 26.95,5.44 27.15,5.44 27.15,6.28 27.35,6.28 27.35,5.44 27.55,5.44 27.55,6.28 27.75,6.28 27.75,5.44 27.95,5.44 27.95,6.28 28.15,6.28 28.15,5.44 28.35,5.44 28.35,6.28 28.55,6.28 28.55,5.44 28.75,5.44 28.75,6.28 28.95,6.28 28.95,3.28 28.68,3.01 27.7,3.01 26.53,4.17 25.95,4.17 25.95,6.28 26.15,6.28
NVCC_1V8 on L4_PWR_1: 2.54,1.27 2.54,15.11 6.35,15.11 6.94,14.53 11.86,14.53 12.19,14.2 12.45,14.2 12.73,13.92 12.73,5.84 13.77,4.8 19.58,4.8 20.55,5.77 36.4,5.77 39.12,8.49 39.12,11.99 40.18,13.06 40.18,17.63 41.61,19.05 41.61,25.12 39.4,27.33 39.4,30.61 38.48,31.52 38.48,37.26 36.07,39.68 30.99,39.68 30.13,38.81 25.88,38.81 24.32,37.25 24.32,36.08 23.41,35.17 23.41,32.95 23.05,32.58 23.05,31.97 22.94,31.87 22.14,31.87 22.14,37.77 22.71,37.77 28.71,43.77 28.71,45.2 29.02,45.51 41.12,45.51 46.13,40.5 46.13,22.35 49.15,19.34 49.15,14.82 48.87,14.54 43,14.54 42.41,13.95 42.41,3.02 40.67,1.27
NVCC_3V3 on TOP (solid shape): 4.75,12.77 2.74,12.77 2.74,13.99 4,13.99 4,14.23 3.49,14.23 3.49,13.99 2.74,13.99 2.74,15.34 4.75,15.34
NVCC_3V3 on BOTTOM (solid shape): 4.8,13.45 2.69,13.45 2.69,13.68 4.06,13.68 4.06,14.06 3.43,14.06 3.43,13.68 2.69,13.68 2.69,15.3 4.8,15.3
NVCC_3V3 on BOTTOM (solid shape): 28.04,21.49 28.04,19.02 28.95,18.1 28.95,8.65 28.75,8.65 28.75,9.49 28.55,9.49 28.55,8.65 28.35,8.65 28.35,9.49 28.15,9.49 28.15,8.65 27.95,8.65 27.95,9.49 27.75,9.49 27.75,8.65 27.55,8.65 27.55,9.49 27.35,9.49 27.35,8.65 27.15,8.65 27.15,9.49 26.95,9.49 26.95,8.65 26.75,8.65 26.75,9.49 26.55,9.49 26.55,8.65 26.35,8.65 26.35,9.49 26.15,9.49 26.15,8.65 25.95,8.65 25.95,11.88 25.99,11.93 25.99,17.37 25.57,17.79 25.57,23.47 25.66,23.56 25.96,23.56
NVCC_3V3 on L5_PWR_2: 21.87,32 22.73,32 23.04,32.31 24.97,32.31 25.75,31.52 26.97,31.52 26.97,32.18 27.61,32.82 27.61,36.5 26.31,37.79 26.31,40.36 27.43,41.48 34.49,41.48 35.45,40.51 35.45,36.51 33.68,34.73 33.68,19.6 27.32,13.25 24.98,13.25 24.98,4.7 23.94,3.66 21.24,3.66 20.14,4.75 8.94,4.75 8.66,5.03 8.66,5.72 9.53,5.72 10.04,6.23 10.04,7.19 9.36,7.88 5.11,7.88 4.95,8.03 4.95,12.07 6.02,13.13 6.02,16 5.94,16.08 2.54,16.08 1.14,14.68 1.14,2.29 2.41,1.02 38.69,1.02 42.9,5.23 42.9,10.52 43.33,10.95 43.33,14.07 43.07,14.34 43.07,17.19 43.88,18 46.11,18 46.76,18.64 46.76,22 46.4,22.36 46.4,39.54 42.18,43.77 22.02,43.77 21.39,43.13 21.39,36.3 21.23,36.14 21.23,33.73 21.18,33.68 21.18,32.64 21.31,32.51 21.36,32.51
NVCC_DRAM_1V2 on TOP: 9.07,18.32 9.09,18.29 9.09,15.47 9.25,15.32 9.25,14.02 9.22,14 9.02,14 8.99,14.02 8.99,15.34 8.21,16.13 7.77,16.13 7.72,16.18 4.8,16.18 4.37,16.61 4.37,19.94 4.6,20.17 5.94,20.17 5.98,20.13 8.47,20.13 9.07,19.53 ; 1 cut-out
NVCC_DRAM_1V2 on TOP: 20.35,31.88 20.7,31.88 20.85,32.03 21.21,32.03 21.24,32.01 21.24,31.47 21.11,31.35 21.11,29.64 20.7,29.24 20.7,28.98 20.85,28.83 21.01,28.83 21.08,28.75 21.08,26.85 20.75,26.52 20.35,26.52 20.24,26.62 20.24,28.12 20.27,28.14 20.27,28.73 20.04,28.96 19.38,28.96 19.28,29.06 19.28,29.31 19.41,29.44 20.07,29.44 20.27,29.64 20.27,31.8
NVCC_DRAM_1V2 on BOTTOM: 5.56,19.46 9.02,19.46 9.32,19.15 9.32,16.69 9.15,16.51 6.4,16.51 6.27,16.64 6.27,17.17 5.36,18.09 5.36,19.25
NVCC_DRAM_1V2 on BOTTOM: 19.97,31.83 20.4,31.83 20.45,31.88 20.73,31.88 20.83,31.98 21.21,31.98 21.29,31.9 21.29,31.6 21.16,31.47 21.16,30.99 20.83,30.66 20.83,29.69 21.21,29.31 21.21,28.93 21.08,28.81 20.93,28.81 20.73,28.6 20.73,26.72 20.52,26.52 19.84,26.52 19.66,26.7 19.66,27.05 19.79,27.18 20.07,27.18 20.35,27.46 20.35,28.45 20.04,28.75 20.04,28.98 19.97,29.06 19.64,29.06 19.31,28.73 19.31,28.65 19.05,28.65 18.92,28.78 18.92,28.88 19.08,29.03 19.23,29.03 19.33,29.14 19.33,29.29 19.48,29.44 19.91,29.44 20.14,29.67 20.14,30 20.27,30.13 20.27,30.84 20.02,31.09 19.81,31.09 19.66,31.24 19.66,31.57 19.81,31.73 19.86,31.73
NVCC_DRAM_1V2 on L3_IN1: 19.95,32.27 21.35,32.27 22.19,31.43 22.19,29.18 22.06,29.05 19.31,29.05 19.25,29.11 19.25,30.37 19.71,30.83 19.71,32.03
NVCC_DRAM_1V2 on L3_IN1: 22.02,27.84 22.02,26.75 21.41,26.14 20.34,26.14 19.48,27 19.48,27.79 19.25,28.02 19.25,28.37 19.26,28.37 19.26,28.47 19.35,28.56 19.58,28.56 19.65,28.63 21.23,28.63
NVCC_DRAM_1V2 on L4_PWR_1: 1.02,19.89 1.02,38.81 1.7,39.5 20.27,39.5 21.88,37.84 21.88,31.9 21.01,31.03 21.01,27.68 21.88,26.8 21.88,23.76 17.09,18.92 15.67,18.92 15.57,18.92 15.5,18.85 12.26,15.37 1.27,15.37 1.17,15.47 1.17,19.74
NVCC_ENET on BOTTOM: 27.33,26.97 28.19,26.97 28.27,26.9 28.27,24.87 28.01,24.61 27,24.61 26.67,24.94 26.67,25.81 26.95,26.09 26.95,26.31 27.28,26.64 27.28,26.92
VSYS_5V on TOP (solid shape): 6.15,12.06 6.92,12.06 6.92,11.85 6.16,11.85 6.16,11.66 6.92,11.66 6.92,11.45 5.48,11.45 5.39,11.54 5.39,12.32 5.5,12.42 5.78,12.42
VSYS_5V on TOP (solid shape): 12.39,15.58 12.39,15.3 12.03,14.94 12.03,14.16 11.83,14.16 11.83,14.92 11.63,14.92 11.63,14.16 11.43,14.16 11.43,15.6 11.51,15.69 12.29,15.69
VSYS_5V on TOP (solid shape): 23.42,5.23 23.42,3.94 23.57,3.79 23.93,3.79 23.94,3.78 23.94,1.51 22.94,1.51 22.05,1.52 22.05,5.18 22.05,5.18 22.05,5.23 22.1,5.28 23.37,5.28
VSYS_5V on BOTTOM (solid shape): 12.3,15.92 12.3,14.36 10.28,14.36 10.28,14.36 10.28,15.86 10.36,15.95 12.27,15.95
VSYS_5V on BOTTOM (solid shape): 6.7,12.33 6.7,10.21 5.42,10.21 5.42,10.92 6.48,10.92 6.48,11.56 6.1,11.56 6.1,10.92 5.42,10.92 5.42,12.33 5.64,12.55 6.48,12.55
VSYS_5V on BOTTOM (solid shape): 22.15,5.44 22.35,5.44 22.35,6.28 22.55,6.28 22.55,5.44 22.75,5.44 22.75,6.28 22.95,6.28 22.95,5.44 23.15,5.44 23.15,6.28 23.35,6.28 23.35,4.17 21.95,4.17 21.95,6.28 22.15,6.28
VSYS_5V on BOTTOM (solid shape): 23.35,13.35 23.35,8.65 23.15,8.65 23.15,9.49 22.95,9.49 22.95,8.65 22.75,8.65 22.75,9.49 22.55,9.49 22.55,8.65 22.35,8.65 22.35,9.49 22.15,9.49 22.15,8.65 21.95,8.65 21.95,10.76 22.17,10.98 22.17,13.31 22.39,13.52 23.17,13.52
VSYS_5V on L5_PWR_2: 15.36,13.21 15.36,13.63 12.86,16.13 6.22,16.13 6.22,13.16 5.23,12.17 5.23,8.41 5.77,7.88 9.02,7.88 9.53,7.37 9.53,5.97 9.27,5.72 8.79,5.72 8.79,5.11 8.97,4.93 20.32,4.93 21.36,3.89 23.67,3.89 24.79,5.01 24.79,13.21
N106651228 on TOP (solid shape): 15.5,10.36 17.51,10.36 17.51,9.14 15.5,9.14 14.79,9.85 13.33,9.85 13.33,10.06 14.1,10.06 14.1,10.25 13.33,10.25 13.33,10.46 15.41,10.46
N106658448 on TOP (solid shape): 17.51,10.75 15.5,10.75 15.41,10.65 13.33,10.65 13.33,10.86 14.1,10.86 14.1,11.05 13.33,11.05 13.33,11.26 14.79,11.26 15.5,11.97 17.51,11.97
N106678828 on TOP (solid shape): 10.9,16.24 10.43,15.78 10.43,14.16 10.23,14.16 10.23,14.92 10.03,14.92 10.03,14.16 9.83,14.16 9.83,15.62 9.68,15.76 9.68,18.47 10.33,18.47 10.33,18.47 10.9,18.47
N106678929 on TOP (solid shape): 5.47,11.26 6.92,11.26 6.92,11.05 6.16,11.05 6.16,10.86 6.92,10.86 6.92,10.65 4.85,10.65 4.75,10.75 2.74,10.75 2.74,11.97 4.75,11.97
N106679133 on TOP (solid shape): 6.92,10.25 6.16,10.25 6.16,10.06 6.92,10.06 6.92,9.85 5.47,9.85 5.13,9.52 2.85,9.52 2.85,10.38 4.65,10.38 4.72,10.46 6.92,10.46
GND on L4_PWR_1: 0.51,48.26 1.1,49.7 2.54,50.29 48.26,50.29 49.7,49.7 50.29,48.26 50.29,18.82 50.39,18.72 50.39,10.47 50.29,10.37 50.29,2.54 49.7,1.1 48.26,0.51 2.54,0.51 1.1,1.1 0.51,2.54 ; 1 cut-out

## Text on the board
Ref Des/Silkscreen Bottom: GND | 5V0 | 8MNANOD4-EVK | 700-45699 REV A | SCH-45699 REV A | S/N
TOP: i.MX 8M NANO
Board Geometry/Soldermask Top: i.MX 8M NANO
Ref Des/Silkscreen Top: NVCC_SD2 | GND | CMD | 32K | DA0 | DQS | CLK | 24M | DQ0 | STATUS | RSTB | CKIN2 | CKIN1 | 1V8 | VREF | DDR4 | 2V5 | 1V2 | 0V8 | 1V5 | 0V9 | A1 | 5V0 | POR_B | ONOFF | ON_REQ | WIFI&BT | eMMC | QSPI | 3V3 | WDOG | STBY | 8MNANOD4-EVK
DIMENSION: GRID ORIGIN | PRIMARY DATUM | BOARD | EDGE | TRACE ON TOP,WIDTH 11 MIL  50OHM (WIFI) | CORE | L2 GND | L3 IN1 | L4 PWR_1 | L5 PWR_2 | BOTTOM | PREPREG | TOP | 3.9 | 4.25 | 0.02 | THIS BOARD WAS DESIGNED FOR MAXIMUM FLEXIBILITY IN SOFTWARE DEVELOPMENT AND DEMONSTRATES | PRELIMINARY -SUBJECT TO CHANGE | NXP CONFIDENTIAL AND PROPRIETARY | MULTIPLE FUNCTIONS POSSIBLE WITH I.MX PROCESSORS. ALTHOUGH BEST DESIGN PRACTICES HAVE | BEEN APPLIED,SOME AREAS MAY NOT BE SUITABLE FOR A MASS-PRODUCTION DESIGN | 16 | 17 | 8 | DETAIL A
User.10: 06-08-18 | F.L. | B | NEW PMIC | NONE | 1
User.11: L6_BOTTOM | L3_IN1 | L1_TOP | 4.1 | 11 | 3.2 | 50 | 4.2 | 4.8 | 85 | 3.6 | 4.9 | 3 | 6
User.28: FIGURE | FINISHED_SIZE | 8.0 | 10.0 | 40.0 | 109.0 | 35.0 | 64.0 | DRILL CHART: TOP to BOTTOM | ALL UNITS ARE IN MILS | PLATED | NON-PLATED | QTY | 764 | 82 | 181 | 2 | 3 | 4
